# KiCad board TGX4.kicad_pcb (continued)
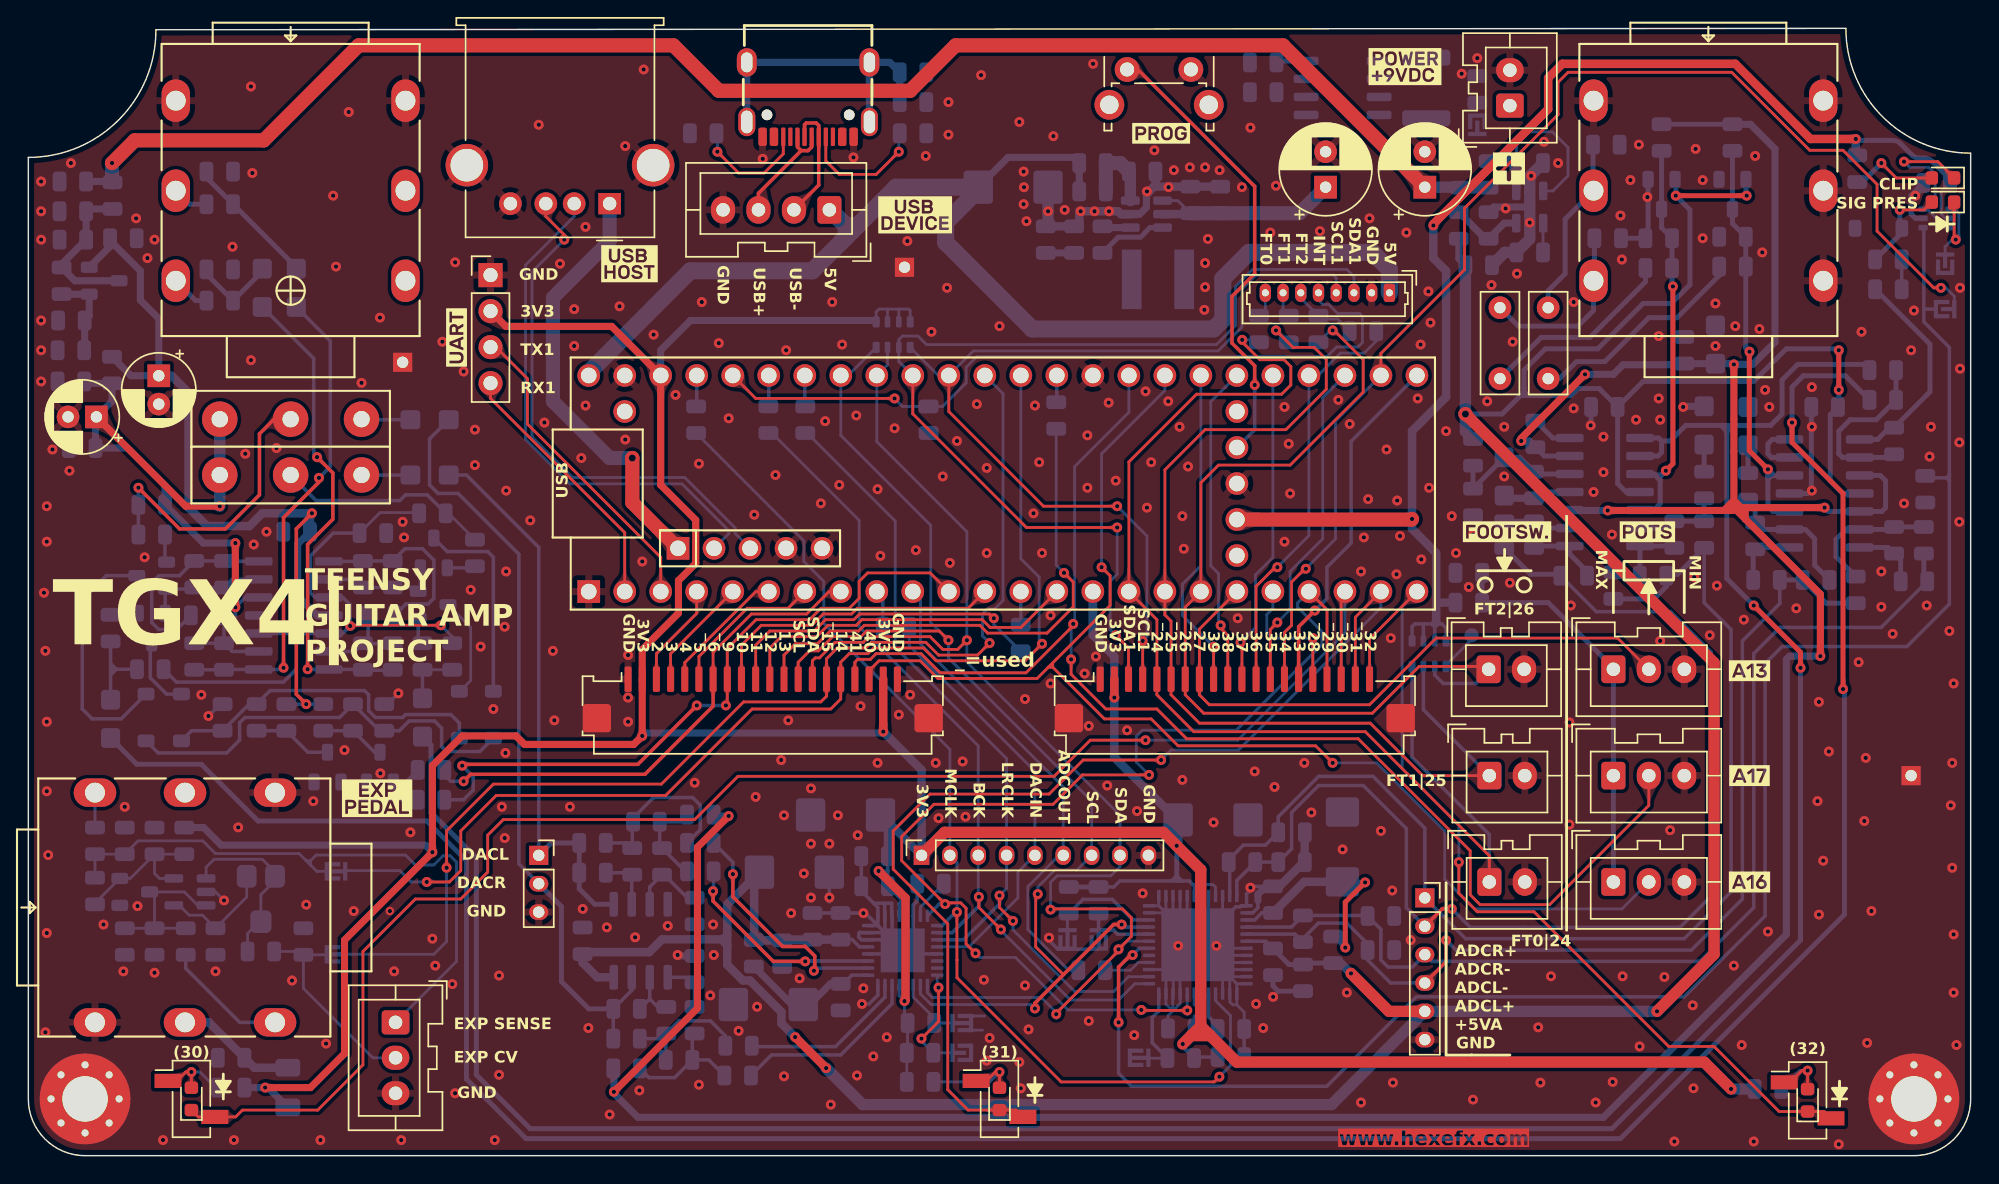
[diagram p0: board, top side]
## Library data of the parts (continued)
U8 = -: Datasheet: http://www.ti.com/lit/sg/scyt129e/scyt129e.pdf; Description: Dual Shmitt trig inverter, Low-Voltage CMOS; ki_fp_filters: SG-* SOT*
U10 = -: Description: 2A,4.5V-16V Input,600kHz Synchronous Step-Down Converter
U11 = -: Datasheet: http://ww1.microchip.com/downloads/en/DeviceDoc/20005785A.pdf; Description: 150mA low dropout linear regulator, fixed 5.0V output, SOT-23-5; ki_fp_filters: SOT?23*

## Footprints (pads in the part's own frame, mm; a bottom-side part is the same pattern mirrored in y, then rotated)
ALPHA_DUALPOT_16mm
  round 2.5 hole 1.15: 1(5,-13) 2(0,-13) 3(-5,-13) 4(5,-9.063) 5(0,-9.063) 6(-5,-9.063)
C_Rect_L7.0mm_W2.5mm_P5.00mm
  round 1.6 hole 0.8: 1(0,0) 2(5,0)
CP_EIA-3216-18_Kemet-A
  rrect 1.4x1.35 smd: 1(-1.35,0) 2(1.35,0)
CP_EIA-6032-28_Kemet-C
  rrect 2.075x2.35 smd: 1(-2.462,0) 2(2.462,0)
CP_Radial_D5.0mm_P2.00mm
  rect 1.6x1.6 hole 0.8: 1(0,0)
  round 1.6 hole 0.8: 2(2,0)
CP_Radial_D6.3mm_P2.50mm
  rect 1.6x1.6 hole 0.8: 1(0,0)
  round 1.6 hole 0.8: 2(2.5,0)
D_SOD-123
  rrect 0.9x1.2 smd: 1(-1.65,0) 2(1.65,0)
Fuse_1206_3216Metric
  rrect 1.25x1.75 smd: 1(-1.4,0) 2(1.4,0)
Fuse_1812_4532Metric
  rrect 1.125x3.4 smd: 1(-2.138,0) 2(2.138,0)
HCTL_XW10202-20R-00 _1x20-1MP_P1.00mm_Horizontal
  rrect 0.5x1.8 smd: 1(-9.5,0.96) 2(-8.5,0.96) 3(-7.5,0.96) 4(-6.5,0.96) 5(-5.5,0.96) 6(-4.5,0.96) 7(-3.5,0.96) 8(-2.5,0.96) 9(-1.5,0.96) 10(-0.5,0.96) 11(0.5,0.96) 12(1.5,0.96) 13(2.5,0.96) 14(3.5,0.96) 15(4.5,0.96) 16(5.5,0.96) 17(6.5,0.96) 18(7.5,0.96) 19(8.5,0.96) 20(9.5,0.96)
  rrect 2x2 smd: SH(-11.7,-1.79) SH(11.7,-1.79)
Hx_C_0805_2012Metric
  rrect 0.975x1.4 smd: 1(-0.938,0) 2(0.938,0)
Hx_L_0805_2012Metric
  rrect 0.975x1.4 smd: 1(-0.938,0) 2(0.938,0)
Hx_R_0805_2012Metric
  rrect 0.975x1.4 smd: 1(-0.938,0) 2(0.938,0)
JST_XA_B02B-XASK-1_1x02_P2.50mm_Vertical
  rrect 1.7x1.95 hole 0.95: 1(0,0)
  oval 1.7x1.95 hole 0.95: 2(2.5,0)
JST_XA_B03B-XASK-1_1x03_P2.50mm_Vertical
  rrect 1.7x1.95 hole 0.95: 1(0,0)
  oval 1.7x1.95 hole 0.95: 2(2.5,0) 3(5,0)
JST_XA_B04B-XASK-1_1x04_P2.50mm_Vertical
  rrect 1.7x1.95 hole 0.95: 1(0,0)
  oval 1.7x1.95 hole 0.95: 2(2.5,0) 3(5,0) 4(7.5,0)
L_Changjiang_FNR5020S
  rect 1.4x4.2 smd: 1(-1.85,0) 2(1.85,0)
LED_0603_1608Metric
  rrect 0.875x0.95 smd: 1(-0.788,0) 2(0.788,0)
Molex_PicoBlade_53047-0810_1x08_P1.25mm_Vertical
  rrect 0.8x1.3 hole 0.5: 1(0,0)
  oval 0.8x1.3 hole 0.5: 2(1.25,0) 3(2.5,0) 4(3.75,0) 5(5,0) 6(6.25,0) 7(7.5,0) 8(8.75,0)
MountingHole_3.2mm_M3_Pad_Via
  round 0.8 hole 0.5: 1(-2.4,0) 1(-1.697,1.697) 1(-1.697,-1.697) 1(0,2.4) 1(0,-2.4) 1(1.697,1.697) 1(1.697,-1.697) 1(2.4,0)
  round 6.4 hole 3.2: 1(0,0)
NMJ6HCD2_TRSjack_smallPads
  oval 2x3 hole 1.4: R(-8.1,-10.35) Rsw(8.1,-10.35) S(-8.1,-4) Ssw(8.1,-4) T(-8.1,-16.7) Tsw(8.1,-16.7)
PCB_jumper_2
  rect 0.3x0.9 smd: 1(-0.5,0.15) 1(0.5,0.15) 2(0,-0.15)
  rect 1.3x0.3 smd: 1(0,0.65) 2(0,-0.65)
PCB_jumper_2_closed
  rect 0.3x0.9 smd: 1(-0.5,0.15) 1(0.5,0.15) 2(0,-0.15)
  rect 1.3x0.3 smd: 1(0,0.65) 2(0,-0.65)
PinHeader_1x01_P2.00mm_Vertical
  rect 1.35x1.35 hole 0.8: 1(0,0)
PinHeader_1x04_P2.54mm_Vertical
  rect 1.7x1.7 hole 1: 1(0,0)
  oval 1.7x1.7 hole 1: 2(0,-2.54) 3(0,-5.08) 4(0,-7.62)
PinSocket_1x02_P2.54mm_Vertical_SMD_Pin1Left
  rect 1.9x1 smd: 1(-1.65,1.27) 2(1.65,-1.27)
PinSocket_1x03_P2.00mm_Vertical
  rect 1.35x1.35 hole 0.8: 1(0,0)
  oval 1.35x1.1 hole 0.8: 2(0,-2) 3(0,-4)
PinSocket_1x06_P2.00mm_Vertical
  rect 1.35x1.35 hole 0.8: 1(0,0)
  oval 1.35x1.1 hole 0.8: 2(0,-2) 3(0,-4) 4(0,-6) 5(0,-8) 6(0,-10)
PinSocket_1x09_P2.00mm_Vertical
  rect 1.35x1.1 hole 0.8: 1(0,0)
  oval 1.35x1.1 hole 0.8: 2(0,-2) 3(0,-4) 4(0,-6) 5(0,-8) 6(0,-10) 7(0,-12) 8(0,-14) 9(0,-16)
QFN-32-1EP_5x5mm_P0.5mm_EP3.1x3.1mm
  rrect 0.83x0.83 smd: (-1.03,-1.03) (-1.03,0) (-1.03,1.03) (0,-1.03) (0,0) (0,1.03) (1.03,-1.03) (1.03,0) (1.03,1.03)
  rrect 0.875x0.25 smd: 1(-2.438,1.75) 2(-2.438,1.25) 3(-2.438,0.75) 4(-2.438,0.25) 5(-2.438,-0.25) 6(-2.438,-0.75) 7(-2.438,-1.25) 8(-2.438,-1.75) 17(2.438,-1.75) 18(2.438,-1.25) 19(2.438,-0.75) 20(2.438,-0.25) 21(2.438,0.25) 22(2.438,0.75) 23(2.438,1.25) 24(2.438,1.75)
  rrect 0.25x0.875 smd: 9(-1.75,-2.438) 10(-1.25,-2.438) 11(-0.75,-2.438) 12(-0.25,-2.438) 13(0.25,-2.438) 14(0.75,-2.438) 15(1.25,-2.438) 16(1.75,-2.438) 25(1.75,2.438) 26(1.25,2.438) 27(0.75,2.438) 28(0.25,2.438) 29(-0.25,2.438) 30(-0.75,2.438) 31(-1.25,2.438) 32(-1.75,2.438)
  rect 3.1x3.1 smd: 33(0,0)
QFN-48-1EP_7x7mm_P0.5mm_EP5.15x5.15mm
  rrect 1.04x1.04 smd: (-1.935,-1.935) (-1.935,-0.645) (-1.935,0.645) (-1.935,1.935) (-0.645,-0.645) (-0.645,0.645) (-0.645,-1.935) (-0.645,1.935) (0.645,-1.935) (0.645,1.935) (0.645,-0.645) (0.645,0.645) (1.935,-1.935) (1.935,-0.645) (1.935,0.645) (1.935,1.935)
  rrect 0.875x0.25 smd: 1(-3.438,2.75) 2(-3.438,2.25) 3(-3.438,1.75) 4(-3.438,1.25) 5(-3.438,0.75) 6(-3.438,0.25) 7(-3.438,-0.25) 8(-3.438,-0.75) 9(-3.438,-1.25) 10(-3.438,-1.75) 11(-3.438,-2.25) 12(-3.438,-2.75) 25(3.438,-2.75) 26(3.438,-2.25) 27(3.438,-1.75) 28(3.438,-1.25) 29(3.438,-0.75) 30(3.438,-0.25) 31(3.438,0.25) 32(3.438,0.75) 33(3.438,1.25) 34(3.438,1.75) 35(3.438,2.25) 36(3.438,2.75)
  rrect 0.25x0.875 smd: 13(-2.75,-3.438) 14(-2.25,-3.438) 15(-1.75,-3.438) 16(-1.25,-3.438) 17(-0.75,-3.438) 18(-0.25,-3.438) 19(0.25,-3.438) 20(0.75,-3.438) 21(1.25,-3.438) 22(1.75,-3.438) 23(2.25,-3.438) 24(2.75,-3.438) 37(2.75,3.438) 38(2.25,3.438) 39(1.75,3.438) 40(1.25,3.438) 41(0.75,3.438) 42(0.25,3.438) 43(-0.25,3.438) 44(-0.75,3.438) 45(-1.25,3.438) 46(-1.75,3.438) 47(-2.25,3.438) 48(-2.75,3.438)
  rect 5.15x5.15 smd: 49(0,0)
R_Array_Convex_4x0603
  rrect 0.8x0.5 smd: 1(-0.9,1.2) 4(-0.9,-1.2) 5(0.9,-1.2) 8(0.9,1.2)
  rrect 0.8x0.4 smd: 2(-0.9,0.4) 3(-0.9,-0.4) 6(0.9,-0.4) 7(0.9,0.4)
SO-8_3.9x4.9mm_P1.27mm
  rrect 1.75x0.6 smd: 1(-2.575,1.905) 2(-2.575,0.635) 3(-2.575,-0.635) 4(-2.575,-1.905) 5(2.575,-1.905) 6(2.575,-0.635) 7(2.575,0.635) 8(2.575,1.905)
SO-14_3.9x8.65mm_P1.27mm
  rrect 1.95x0.6 smd: 1(-2.475,3.81) 2(-2.475,2.54) 3(-2.475,1.27) 4(-2.475,0) 5(-2.475,-1.27) 6(-2.475,-2.54) 7(-2.475,-3.81) 8(2.475,-3.81) 9(2.475,-2.54) 10(2.475,-1.27) 11(2.475,0) 12(2.475,1.27) 13(2.475,2.54) 14(2.475,3.81)
SOT-23
  rrect 1.2x0.8 smd: 1(-1.05,0.95) 2(-1.05,-0.95) 3(1.05,0)
SOT-23-5
  rrect 1.325x0.6 smd: 1(-1.137,0.95) 2(-1.137,0) 3(-1.137,-0.95) 4(1.137,-0.95) 5(1.137,0.95)
SOT-23-6
  rrect 1.325x0.6 smd: 1(-1.137,0.95) 2(-1.137,0) 3(-1.137,-0.95) 4(1.137,-0.95) 5(1.137,0) 6(1.137,0.95)
SOT-363_SC-70-6
  rrect 0.65x0.4 smd: 1(-0.95,0.65) 2(-0.95,0) 3(-0.95,-0.65) 4(0.95,-0.65) 5(0.95,0) 6(0.95,0.65)
SW_Tactile_SPST_Angled_PTS645Vx83-2LFS
  round 2.1 hole 1.3: (-1.25,-2.49) (5.76,-2.49)
  round 1.75 hole 0.99: 1(0,0) 2(4.5,0)
Teensy41_noETH
  rect 1.6x1.6 hole 1.1: 1(-29.21,-7.62) 55(-22.911,-4.569)
  round 1.6 hole 1.1: 2(-26.67,-7.62) 3(-24.13,-7.62) 4(-21.59,-7.62) 5(-19.05,-7.62) 6(-16.51,-7.62) 7(-13.97,-7.62) 8(-11.43,-7.62) 9(-8.89,-7.62) 10(-6.35,-7.62) 11(-3.81,-7.62) 12(-1.27,-7.62) 13(1.27,-7.62) 14(3.81,-7.62) 15(6.35,-7.62) 16(8.89,-7.62) 17(11.43,-7.62) 18(13.97,-7.62) 19(16.51,-7.62) 20(19.05,-7.62) 21(21.59,-7.62) 22(24.13,-7.62) 23(26.67,-7.62) 24(29.21,-7.62) 25(29.21,7.62) 26(26.67,7.62) 27(24.13,7.62) 28(21.59,7.62) 29(19.05,7.62) 30(16.51,7.62) 31(13.97,7.62) 32(11.43,7.62) 33(8.89,7.62) 34(6.35,7.62) 35(3.81,7.62) 36(1.27,7.62) 37(-1.27,7.62) 38(-3.81,7.62) 39(-6.35,7.62) 40(-8.89,7.62) 41(-11.43,7.62) 42(-13.97,7.62) 43(-16.51,7.62) 44(-19.05,7.62) 45(-21.59,7.62) 46(-24.13,7.62) 47(-26.67,7.62) 48(-29.21,7.62) 49(-26.67,5.08) 50(16.51,-5.08) 51(16.51,-2.54) 52(16.51,0) 53(16.51,2.54) 54(16.51,5.08) 56(-20.371,-4.569) 57(-17.831,-4.569) 58(-15.291,-4.569) 59(-12.751,-4.569)
TestPoint_Pad_D1.0mm
  round 1 smd: 1(0,0)
Trimpot_SMD_mini
  rrect 1.4x1.6 smd: 1(-1,-1.6) 3(1,-1.6)
  rrect 1.5x1.6 smd: 2(0,1.6)
USB_A_Molex_67643_Horizontal
  rect 1.6x1.5 hole 0.95: 1(0,0)
  round 1.6 hole 0.95: 2(2.5,0) 3(4.5,0) 4(7,0)
  round 3 hole 2.3: 5(-3.07,-2.71) 5(10.07,-2.71)
USB_C_TYPE-C-31-M-12
  round 0.75 hole 0.75 unplated: (-2.9,3.7) (2.9,3.7)
  rrect 0.6x1.3 smd: A1B12(-3.21,5.248) A4B9(-2.41,5.248) A9B4(2.41,5.248) A12B1(3.21,5.248)
  rrect 0.3x1.3 smd: A5(-1.25,5.248) A6(-0.25,5.248) A7(0.25,5.248) A8(1.25,5.248) B5(1.75,5.248) B6(0.75,5.248) B7(-0.75,5.248) B8(-1.75,5.248)
  oval 1.2x2 hole 0.8x1.6: SH(-4.325,4.2) SH(4.325,4.2)
  oval 1.4x2 hole 0.8x1.4: SH(-4.325,0) SH(4.325,0)

## Nets
+3V3: C9.1 C10.1 C11.1 C12.1 C13.1 C14.1 C33.1 F2.2 J3.2 J5.1 J10.2 J10.19 J12.2 L5.2 L6.2 R10.2 R12.2 R13.2 R14.2 R15.2 R35.1 R95.2 R96.2 R97.2 RP1.5 RP1.6 RP1.7 RP1.8 RP2.5 RP2.6 RP2.7 RP2.8 U2.15 U2.46 U2.51 U3.17 U3.42 U3.45 U4.13 U4.28 U4.29 U8.5
+5V: C69.1 C71.1 C72.1 C73.1 J4.1 J11.1 L1.1 R80.2 U2.48
+5VA: C6.1 C7.1 C16.1 C17.1 C18.1 C21.1 C28.1 C29.1 C30.1 C85.1 D5.2 D6.2 J14.5 L4.2 R11.2 R16.2 R33.1 U3.6 U4.21 U5.8 U6.4 U7.4
+8V: C58.1 C82.1 C84.1 Q8.2 R57.1 R59.1 R83.2 U9.4
+9V: C63.1 C64.1 C67.1 C68.1 C70.1 C74.1 C75.1 L2.1 L3.1 Q7.1 Q7.2 Q7.3 U10.4 U10.5
/Power/5VSW: C66.2 L1.2 U10.6
/Power/VCC_F: F1.2 JP8.2 Q7.5 Q7.6 Q7.7 Q7.8
GND: C1.2 C4.2 C5.2 C6.2 C7.2 C8.2 C9.2 C10.2 C11.2 C12.2 C13.2 C14.2 C15.2 C16.2 C17.2 C18.2 C19.2 C20.2 C21.2 C24.1 C25.1 C28.2 C29.2 C30.2 C32.2 C33.2 C34.2 C37.2 C38.2 C39.2 C40.2 C45.2 C46.2 C47.2 C48.2 C53.1 C54.2 C57.2 C58.2 C63.2 C64.2 C65.2 C67.2 C68.2 C70.2 C71.2 C72.2 C73.2 C74.2 C75.2 C76.2 C77.2 C78.2 C79.2 C80.2 C81.2 C82.2 C83.2 C84.2 C85.2 C86.2 C87.2 C88.2 C89.2 C90.2 C91.2 C92.2 C94.2 C95.2 C96.2 CON1.Rsw CON1.S CON1.Ssw CON1.Tsw CON2.S CON2.Ssw CON3.S CON3.Tsw D1.1 D3.2 D5.1 D6.1 H1.1 H2.1 J1.4 J1.5 J2.3 J3.1 J4.4 J5.9 J6.2 J7.2 J8.2 J9.3 J10.1 J10.20 J10.SH J11.2 J12.1 J12.SH J13.A1B12 J13.A12B1 J14.6 J15.2 J16.3 J17.3 J18.3 J22.1 J23.1 J24.1 JP1.1 JP2.1 JP3.1 JP4.1 JP5.1 JP9.1 Q1.2 Q2.2 R34.2 R37.1 R38.1 R77.1 R78.1 R79.1 R81.1 R84.1 R86.2 R87.2 R88.1 R91.2 R93.1 R98.2 R100.1 SW4.2 U1.2 U2.1 U2.34 U2.47 U2.52 U2.58 U2.59 U3.1 U3.2 U3.7 U3.8 U3.9 U3.10 U3.11 U3.12 U3.13 U3.14 U3.15 U3.18 U3.21 U3.22 U3.23 U3.27 U3.35 U3.36 U3.37 U3.38 U3.39 U3.40 U3.41 U3.43 U3.44 U3.46 U3.49 U4.5 U4.12 U4.16 U4.20 U4.22 U4.23 U4.24 U4.25 U4.26 U4.27 U4.30 U4.33 U5.4 U6.11 U7.11 U8.2 U9.11 U10.2 U11.2
VCC: C65.1 F1.1 J15.1 JP8.1
/A0_TX3_GPIO14: J10.16 JP7.2 U2.36
/A1_RX3_GPIO15: J10.15 JP6.2 U2.37
/A13_GPIO27: J12.8 J16.2 U2.19
/A16_GPIO40: J10.18 J18.2 U2.32
/A17_GPIO41: J10.17 J17.2 U2.33
/ADC/ADC_CLIP: JP10.1 R98.1 U3.30 U8.1
/ADC/I2C_ADDR0: JP3.2 R13.1 U3.32
/ADC/I2C_ADDR1: JP2.2 R12.1 U3.34
/ADC_EXP: C95.1 J2.2 JP6.1 R94.2
/ADCL_N: C2.2 C48.1 J14.2 R51.1 R53.1 U3.48
/ADCL_P: C2.1 C46.1 J14.1 R45.1 R47.1 R49.1 U3.47
/ADCR_N: C3.1 C47.1 J14.3 R52.1 R54.1 U3.4
/ADCR_P: C3.2 C45.1 J14.4 R46.1 R48.1 R50.1 U3.5
/Audio_Input/DRY_L: C50.2 R29.2 U6.1 U6.2
/Audio_Input/DRY_R: C52.2 R30.2 U7.13 U7.14
/Audio_Input/FXIN_L: C35.2 CON1.T R37.2
/Audio_Input/FXIN_R: C36.2 CON1.R R38.2
/Audio_Output/LOUT: CON2.T R75.1
/Audio_Output/ROUT: CON2.R R76.1
/BCLK2_GPIO4: J10.5 U2.6
/CS1_IN1_GPIO38: J12.10 U2.30
/CS_GPIO36: J12.12 R99.2 U2.28
/CS_GPIO37: J12.11 U2.29
/CTRL_DRY_GPIO9: J10.8 R55.2 U2.11
/CTRL_WET_GPIO6: J10.7 R56.2 U2.8
/DAC/AOURL1P: R20.1 U4.14
/DAC/AOUTL1N: R19.1 U4.15
/DAC/AOUTR1N: R17.1 U4.18
/DAC/AOUTR1P: R18.1 U4.19
/DAC/DAC_ADDR0: JP4.2 R14.1 U4.11
/DAC/DAC_ADDR1: JP5.2 R15.1 U4.8
/DACL: C26.2 C49.2 J9.1 R27.2 U5.1
/DACR: C27.2 C51.2 J9.2 R28.2 U5.7
/ESP_IO13: J11.6 R3.1 R99.1
/ESP_IO14: J11.7 R4.1
/ESP_IO21: J11.8 R5.1
/EXP_R: C91.1 CON3.R F2.1
/EXP_SNS: C92.1 J2.1 JP7.1 R89.2 R90.1
/EXPIN: CON3.T R92.1
/FTSW0_GPIO24: J6.1 J12.5 R5.2 RP1.4 U2.16
/FTSW1_GPIO25: J7.1 J12.6 R4.2 RP1.3 U2.17
/FTSW2_GPIO26: J8.1 J12.7 R3.2 RP1.2 U2.18
/GPIO29_CODEC_PDOWN: J12.17 U2.21 U3.20 U4.32
/GUI_INT_ESP_IO12: J11.5 R91.1 U2.44
/I2C1_SCL_ESP_IO11: J11.4 J12.4 RP2.1 U2.38
/I2C1_SDA_ESP_IO10: J11.3 J12.3 RP2.2 U2.39
/I2C_SCL: J5.7 J10.13 RP2.4 U2.41 U3.33 U4.10
/I2C_SDA: J5.8 J10.14 RP2.3 U2.40 U3.31 U4.9
/I2S2_OUT_GPIO2: J10.3 U2.4
/I2S2IN_GPIO5: J10.6 U2.7
/I2S2MCLK_GPIO33: J12.15 U2.25
/I2S_BCLK: J5.3 R8.1 U3.25 U4.2
/I2S_DATAIN: J5.6 R85.2 U2.10
/I2S_DATAOUT: J5.5 R1.1 U4.4
/I2S_LRCLK: J5.4 R9.1 U3.26 U4.3
/I2S_MCLK: J5.2 R7.1 U3.16 U4.1
/LED0_GPIO30: D11.1 J12.18 J19.2 U2.22
/LED1_GPIO31: D12.1 J12.19 J20.2 U2.23
/LED2_GPIO32: D13.1 J12.20 J21.2 U2.24
/LRCK2_GPIO3: J10.4 U2.5
/OUT1A_MISO1_GPIO39: J12.9 U2.31
/PROG_BTN: SW4.1 U2.53
/RX1: J3.4 U2.2
/RX7_GPIO28: J12.16 U2.20
/RX8_GPIO34_ADCCLIP: J12.14 JP10.2 U2.26
/SPI_CS_GPIO10: J10.9 U2.12
/SPI_MISO_GPIO12: J10.11 U2.14
/SPI_MOSI_GPIO11: J10.10 R2.1
/SPI_SCK_GPIO13: J10.12 R6.2
/TX1: J3.3 U2.3
/TX8_GPIO35: J12.13 U2.27
/USB_H_D_N: J1.2 U2.56
/USB_H_D_P: J1.3 U2.57
/USB_H_PWR: J1.1 U2.55
/USB_N: J4.2 J13.A7 J13.B7
/USB_P: J4.3 J13.A6 J13.B6
/VEXP: C96.1 D1.2 L6.1 R90.2 U1.5
/VPOT: C90.1 J16.1 J17.1 J18.1 L5.1
VBB: C57.1 C86.1 C87.1 R65.2 R66.2 R67.2 R68.2 R83.1 R84.2 RV1.3 RV1.6 U9.3 U9.5 U9.10 U9.12
VCOM: C34.1 C89.1 R21.1 R22.1 R36.1 R41.2 R42.2 U6.10 U6.13 U7.3 U7.5
Net-(C22-Pad1): C22.1 R17.2 R23.1 R27.1
Net-(C22-Pad2): C22.2 R18.2 R21.2 R24.1
Net-(C23-Pad1): C23.1 R19.2 R25.1 R28.1
Net-(C23-Pad2): C23.2 R20.2 R22.2 R26.1
Net-(C31-Pad1): C31.1 R32.2
Net-(C31-Pad2): C31.2 R31.1 U7.1
Net-(C35-Pad1): C35.1 R39.2
Net-(C36-Pad1): C36.1 R40.2
Net-(C39-Pad1): C39.1 R43.2
Net-(C40-Pad1): C40.1 R44.2
Net-(C41-Pad1): C41.1 R49.2 U6.7
Net-(C42-Pad1): C42.1 R50.2 U7.8
Net-(C43-Pad1): C43.1 R53.2 U6.8
Net-(C44-Pad1): C44.1 R54.2 U7.7
Net-(C49-Pad1): C49.1 RV1.1
Net-(C50-Pad1): C50.1 R61.1 R67.1
Net-(C51-Pad1): C51.1 RV1.4
Net-(C52-Pad1): C52.1 R62.1 R68.1
Net-(C55-Pad2): C55.2 R69.1 R71.2 U9.1
Net-(C56-Pad2): C56.2 R70.1 R72.2 U9.14
Net-(C59-Pad2): C59.2 C61.1 R73.1 U9.7
Net-(C60-Pad2): C60.2 C62.1 R74.1 U9.8
Net-(C61-Pad2): C61.2 R75.2 R77.2
Net-(C62-Pad2): C62.2 R76.2 R78.2
Net-(CON3-PadSsw): CON3.Ssw R89.1
Net-(D1-COM): C94.1 D1.3 R92.2 R100.2 U1.3
Net-(D2-A): D2.2 D3.1 R32.1
Net-(D2-K): D2.1 JP9.2 U8.4
Net-(D4-A): D4.2 R35.2
Net-(D4-K): D4.1 U8.3 U8.6
Net-(D5-COM): C37.1 D5.3 R39.1 R41.1 U6.3 U6.5
Net-(D6-COM): C38.1 D6.3 R40.1 R42.1 U7.10 U7.12
Net-(D7-A): D7.2 Q3.3
Net-(D7-K): C53.2 D7.1 D8.1 R58.1
Net-(D8-A): D8.2 Q4.3
Net-(D9-A): D9.2 Q5.3
Net-(D10-A): D10.2 Q6.3
Net-(D10-K): C54.1 D9.1 D10.1 R60.1
Net-(D11-A): D11.2 J19.1 R95.1
Net-(D12-A): D12.2 J20.1 R96.1
Net-(D13-A): D13.2 J21.1 R97.1
Net-(J13-CC1): J13.A5 R86.1
Net-(J13-CC2): J13.B5 R87.1
Net-(J13-SHIELD): C1.1 J13.SH R88.2
Net-(JP1-B): JP1.2 R10.1 U3.24
Net-(Q1-B): Q1.1 R55.1
Net-(Q1-C): Q1.3 R57.2 R58.2
Net-(Q2-B): Q2.1 R56.1
Net-(Q2-C): Q2.3 R59.2 R60.2
Net-(Q3-D): Q3.1 R61.2
Net-(Q3-S): C55.1 Q3.2 Q5.2 R69.2 U9.2
Net-(Q4-D): Q4.1 R62.2
Net-(Q4-S): C56.1 Q4.2 Q6.2 R70.2 U9.13
Net-(Q5-D): Q5.1 R63.2
Net-(Q6-D): Q6.1 R64.2
Net-(Q7-G): Q7.4 R79.2
Net-(Q8-B): C79.1 C80.1 Q8.1 R82.1
Net-(Q8-C): C76.1 C78.1 L2.2 Q8.3 R82.2
Net-(R36-Pad2): R36.2 U6.14
Net-(R63-Pad1): R63.1 R65.1 RV1.2
Net-(R64-Pad1): R64.1 R66.1 RV1.5
Net-(R94-Pad1): R94.1 RV2.2 RV2.3 U1.1
Net-(RP1-P1): RP1.1 TP1.1
Net-(U1--): R93.2 RV2.1 U1.4
Net-(U2-7_RX2_OUT1A): R1.2 U2.9
Net-(U2-11_MOSI_CTX1): R2.2 U2.13
Net-(U2-13_SCK_LED): R6.1 U2.35
Net-(U2-20_A6_TX5_LRCLK1): R9.2 U2.42
Net-(U2-21_A7_RX5_BCLK1): R8.2 U2.43
Net-(U2-23_A9_CRX1_MCLK1): R7.2 U2.45
Net-(U3-SDTO1): R85.1 U3.28
Net-(U3-VDD18): C8.1 U3.19
Net-(U3-VREFH1): C4.1 C5.1 R11.1 U3.3
Net-(U4-VDD18): C15.1 U4.31
Net-(U4-VREFH1): C19.1 C20.1 R16.1 U4.17
Net-(U5A-+): C24.2 R24.2 U5.3
Net-(U5A--): C26.1 R23.2 U5.2
Net-(U5B-+): C25.2 R26.2 U5.5
Net-(U5B--): C27.1 R25.2 U5.6
Net-(U6B--): C41.2 R43.1 R45.2 U6.6
Net-(U6C--): C43.2 R47.2 R51.2 U6.9
Net-(U6D-+): C32.1 C88.1 R33.2 R34.1 U6.12
Net-(U7A--): R29.1 R30.1 R31.2 U7.2
Net-(U7B--): C44.2 R48.2 R52.2 U7.6
Net-(U7C--): C42.2 R44.1 R46.2 U7.9
Net-(U9B--): C59.1 R71.1 R73.2 U9.6
Net-(U9C--): C60.1 R72.1 R74.2 U9.9
Net-(U10-BS): C66.1 U10.1
Net-(U10-FB): C69.2 R80.1 R81.2 U10.3
Net-(U11-BP): C81.1 U11.4
Net-(U11-EN): C77.1 L3.2 U11.1 U11.3
Net-(U11-OUT): C83.1 L4.1 U11.5

Pads without a net: CON2 Rsw Tsw; CON3 Rsw; J13 A4B9 A8 A9B4 B8; U2 49 50 54; U3 29; U4 6 7

## Via types
v1: diameter 0.7, hole 0.3, Top to Bottom, 524 vias
v2: diameter 0.6, hole 0.3, Top to Bottom, 1 via
v3: diameter 1, hole 0.5, Top to Bottom, 2 vias

## Routing (per net, layer and track width the routed paths; a pad name or vN(x,y) marks a point on that pad's centre or on a via; arc(x,y) is an arc through that point)
+3V3: length 419.3
  Top w0.5: v1(16.7,4.8) 19.9,4.8 22.3,7.2 22.3,15.2 v1(28.5,21.4) 28.5,27.5 30.6,29.6 34.4,29.6 35,29 42.7,29 v1(43.3,29.6) J10.2 43.3,35.7 45.86,38.25 45.86,40.55 47.07,41.77 47.07,44.83 44.61,47.29 U2.46 41.14,58.48 33.68,58.48 J3.2
  Top w0.6: v1(128.9,71.7) 125.7,71.7 120.4,77 108.2,77 107.2,76 107.2,73.8 99.1,65.7 v1(99.1,65.6) ; v1(59.97,20.08) 61.87,18.18 61.87,10.97 v1(61.8,10.9) ; v1(76.6,32.3) J12.2 ; v1(60.3,29.9) J10.19
  Top w0.8: J5.1 64.62,22.8 80.05,22.8 v1(81,21.85) 82.69,20.16 82.69,9.14 ; 82.69,9.14 83.37,8.47 ; 82.69,9.14 82.03,8.47 ; 83.37,8.47 85.23,6.6 118.2,6.6 v1(120.1,4.7) ; 83.37,8.47 82.03,8.47 82.03,8.47 ; 82.03,8.47 v1(81.43,7.87)
  Top w1: v1(97.6,44.9) 97.56,44.86 U2.51
  Bottom w0.2: RP2.8 62.2,59.6 62.1,59.7 61.4,59.7 ; C33.1 134.93,67.99 134.93,66.4 135.23,66.1 U8.5 ; U3.42 82.24,19.02 82.14,19.11 83.56,19.11 83.74,18.94 U3.45 ; 61.4,59.7 60.6,59.7 ; 61.4,59.7 RP2.7 ; 60.6,59.7 60,59.7 59.8,59.5 RP2.5 ; 60.6,59.7 RP2.6 ; v1(59.97,20.08) 60.63,20.08 ; U4.13 61.42,11.28 v1(61.8,10.9) 61.8,9.57 R14.2 62.02,7.31 R15.2 61.96,7.14 61.96,7.14 R96.2
  Bottom w0.25: 99.2,37.5 98.4,37.5 ; 99.2,37.5 99.7,37.5 100,37.2 RP1.8 ; 99.2,37.5 RP1.7 ; 98.4,37.5 RP1.6 ; 98.4,37.5 97.8,37.5 97.6,37.3 RP1.5 ; C10.1 82.29,6.95 R10.2 81.43,7.68 v1(81.43,7.87) ; 61.67,18.01 61.92,17.76 U4.29 ; 61.67,18.01 61.62,18.01 C14.1 C13.1 ; 61.67,18.01 61.42,17.76 U4.28 ; 82.14,19.11 81.89,19.37 81.2,19.37 ; 81.2,19.37 80.55,19.37 ; 81.2,19.37 81.38,19.37 81,19.75 80.62,19.37 80.55,19.37 ; 80.55,19.37 76.99,19.37 76.56,18.95 R13.2 ; U3.17 83.24,9.81 83.88,9.16 C9.1
  Bottom w0.35: 81,19.42 v1(81,21.85) ; R12.2 R13.2 ; C10.1 C9.1 ; v1(128.9,71.7) 129,71.6 131.49,71.6 arc(131.8,71.54) 132.06,71.37 132.84,70.59 arc(133.1,70.41) 133.4,70.35 133.73,70.35 arc(134.03,70.29) 134.29,70.12 135.54,68.87 C33.1
  Bottom w0.5: v1(43.3,29.6) 43.5,29.8 60.2,29.8 v1(60.3,29.9) ; v1(28.5,21.4) 28,21.9 13.6,21.9 12.36,23.14 L6.2 ; R95.2 v1(16.7,4.8) 16.9,4.8 F2.2 ; RP2.5 59.7,58.9 46.7,58.9 44.61,56.8 U2.46
  Bottom w0.6: v1(128.9,71.7) 128.9,70.64 R35.1 ; C12.1 60.63,23.5 C13.1 ; C12.1 60.15,24.02 J5.1 63,27.2 v1(60.3,29.9) ; C12.1 60.95,23.18 ; 99.3,38.9 99.3,37.6 99.2,37.5 ; 99.3,38.9 99.4,39 L5.2 ; 99.3,38.9 99.3,42.5 97.6,44.2 v1(97.6,44.9) 97.6,51.1 100,53.5 100,62.4 99.1,63.3 v1(99.1,65.6) ; U2.15 75.08,36.71 76.6,35.2 v1(76.6,32.3) 76.6,28.1 81.02,23.68 C11.1
  Bottom w0.8: v1(120.1,4.7) R97.2 ; v1(81,21.85) 81,23.58 C11.1
+5V: length 94.5
  Bottom w0.5: C72.1 C71.1 ; C73.1 69.1,70.4 73.72,70.4 C69.1 R80.2
  Bottom w1.2: 57.33,64.42 57.67,64.77 57.67,65.57 ; 57.33,64.42 55.3,62.4 46.7,62.4 39.53,55.22 U2.48 ; 57.33,64.42 58.08,65.17 ; J11.1 96,62.5 94.8,63.7 86.1,63.7 84.25,61.85 84.25,58.95 83.6,58.3 70.8,58.3 64.7,64.4 64.7,65.8 67,68.1 C73.1 61.2,68.3 58.5,65.6 ; J4.1 56.55,66.7 57.58,65.67 ; 57.67,65.57 57.7,65.6 58.5,65.6 ; 57.67,65.57 57.58,65.67 ; 58.08,65.17 57.58,65.67 ; 58.08,65.17 58.5,65.6
+5VA: length 268.1
  Top w0.35: v1(116.2,67.7) v1(121.2,67.7) ; v1(127.7,56.8) v1(127.7,54)
  Top w0.6: v1(56.27,6.17) v1(54.08,8.36)
  Top w0.8: J14.5 95.97,10.18 v1(93.29,12.85) ; v1(114.88,10.18) 118.9,14.2 118.9,34.76 v3(101.36,52.3)
  Bottom w0.25: U4.21 58.62,14.73 58.11,15.24 C16.1 ; C6.1 87.28,15.12 U3.6
  Bottom w0.35: 105.75,53.6 108.8,53.6 109.3,54.1 110.8,54.1 C29.1 ; 105.75,53.6 105.5,53.6 ; 105.75,53.6 105.5,53.85 ; 105.5,53.6 105.5,54.2 ; 105.5,53.6 105.25,53.6 ; C29.1 112.1,47.4 112.7,46.8 113.68,46.8 ; C29.1 113.9,54.6 121.7,54.6 124,56.9 127.6,56.9 v1(127.7,56.8) ; v1(127.7,54) 127.7,52.86 C30.1 127.1,52.26 127.1,47.6 128,46.7 129.18,46.7 ; v3(101.36,52.3) 103.95,52.3 105.25,53.6 ; 105.5,54.2 105.5,53.85 ; 105.5,54.2 105.5,55.4 107,56.9 110.7,56.9 113.9,60.1 115.88,60.1 117.2,61.42 117.2,66.7 v1(116.2,67.7) 116.2,68.8 D5.2 ; 105.25,53.6 105.5,53.85 ; R11.2 90.02,13.58 C7.1 88.92,13.48 C6.1 ; D6.2 121.15,67.75 v1(121.2,67.7)
  Bottom w0.5: C85.1 100.9,63.26 L4.2
  Bottom w0.6: 51.11,15.15 R16.2 ; 49.3,15.55 49.3,17.72 C18.1 51.19,19.62 51.19,15.18 C21.1 ; 49.3,15.55 49,15.25 ; 49.3,15.55 49.3,14.85 ; 49,15.25 44.69,15.25 43.8,14.35 39.23,14.35 C28.1 39.09,13.6 40.12,12.58 U5.8 ; 49,15.25 49,15.15 49.3,14.85 ; C21.1 53.23,15.24 C17.1 C16.1 ; C21.1 53.13,15.21 ; 49.3,14.85 49.3,13.46 50.4,12.35 50.89,12.35 53.12,10.13 53.12,9.33 v1(54.08,8.36) ; v1(93.29,12.85) 92.57,13.58 R11.2
  Bottom w0.8: C85.1 v3(101.36,52.3) 101.36,51.07 R33.1 ; v1(56.27,6.17) 58.85,3.6 91.92,3.6 J14.5 v1(114.88,10.18)
+8V: length 63.8
  Top w0.25: v1(20,45.3) 18.9,44.2 18.9,32.54 v1(19.6,31.84)
  Bottom w0.25: R59.1 R57.1
  Bottom w0.5: R83.2 7.24,55 C82.1 9.2,59.04 7.9,60.34 7.9,62.4 5.76,64.54 C84.1 5.76,64.12 Q8.2 ; U9.4 20.37,38.1 19,39.47 19,43.14 C58.1
  Bottom w0.6: C58.1 19.86,45.17 v1(20,45.3) 16.5,45.3 15.6,44.4 12.6,44.4 11.3,45.7 11.3,53.8 10.1,55 C82.1
+9V: length 125.2
  Top w1: v1(5.9,70) 7.5,71.6 16.6,71.6 23.3,78.3 45.5,78.3 48.7,75.1 62.2,75.1 65.4,78.3 88.5,78.3 C68.1
  Bottom w0.2: U10.4 81.07,67.35 C63.1
  Bottom w0.5: 81.9,66.4 C63.1 ; C74.1 5.88,68.7 L2.1
  Bottom w0.6: U10.5 81.9,66.4
  Bottom w0.8: C68.1 100.96,68.3 C75.1 L3.1
  Bottom w1: L2.1 5.9,68.68 v1(5.9,70) ; C63.1 C64.1 89.66,66.46 C67.1
/Power/5VSW: length 5
  Bottom w0.35: C66.2 76.88,64.77 78.46,64.77 78.76,65.08 78.76,65.1 79.11,65.45 U10.6
GND: length 233.2
  Bottom w0.2: U3.49 81.24,16.12 U3.40 ; U3.49 80.76,13.14 80.76,11.45 U3.22 80.72,11.42 80.72,10.2 ; U3.49 84.24,16.62 U3.46 ; U3.49 81.24,13.62 U3.21 81.25,11.42 81.25,10.74 80.72,10.2 ; U3.49 82.74,15.12 U3.43 ; U3.49 80.74,13.12 U3.27 ; U3.49 80.74,16.62 U3.39 ; U3.49 80.24,17.12 ; U3.49 83.74,13.62 U3.9 ; U3.49 79.74,17.62 ; U3.49 83.24,14.12 U3.8 ; U3.49 80.24,12.62 U3.23 80.24,10.69 80.72,10.2 ; U3.49 84.74,12.62 ; U3.49 81.74,14.12 ; U3.49 85.24,12.12 ; U3.49 84.74,12.62 ; U3.49 82.74,14.62 ; U3.49 81.74,15.62 U3.41 ; U3.49 84.24,13.12 ; U3.49 83.24,15.62 U3.44 ; 82.74,14.62 83.62,14.62 v1(83.8,14.8) 83.98,14.62 U3.7 ; 82.74,14.62 U3.18 ; 85.24,10.64 84.95,10.64 84.75,10.84 84.75,11.42 U3.14 84.74,12.62 ; 85.24,10.64 85.76,10.12 C9.2 ; 85.24,10.64 U3.13 85.24,12.12 ; C8.2 80.38,9.87 80.72,10.2 ; U3.35 80.24,17.12 ; 80.24,17.12 U3.38 ; 84.74,12.62 U3.11 ; v1(13.8,18) 13.2,18.6 U1.2 ; 67.8,8.35 v1(67.8,8.3) ; JP4.1 67.3,8.85 ; U3.36 79.74,17.62 ; 79.74,17.62 U3.37 ; U3.12 85.24,12.12 ; U3.10 84.24,13.12 ; 84.24,13.12 U3.15 ; JP4.1 67.45,9.85
  Bottom w0.25: 84.74,17.12 U3.49 85.16,17.55 85.46,17.55 85.54,17.62 U3.1 85.92,18.45 86.2,18.73 v1(86.2,18.9) 86.37,18.9 86.47,18.99 87.29,18.99 ; 45.1,17.25 U5.4 ; U4.33 62.42,15.23 U4.30 62.42,17.68 62.7,17.96 C15.2 ; U4.33 61.92,14.23 ; U4.33 60.42,15.73 ; U4.33 61.42,14.23 U4.20 ; U4.33 59.92,16.23 ; U4.33 60.92,15.23 ; 61.92,14.23 U4.12 ; 61.92,14.23 U4.5 ; C17.2 C16.2 58.89,17.11 v1(58.9,17.1) 58.91,17.11 59.04,17.11 59.92,16.23 ; U4.24 59.92,16.23 ; 59.92,16.23 U4.25 59.92,17.5 59.62,17.8 ; 59.62,17.8 60.4,17.8 ; 59.62,17.8 58.75,18.67 C14.2 C13.2 ; 60.92,15.23 U4.22 58.76,15.23 58.57,15.41 58.57,15.68 58.65,15.75 58.67,15.73 U4.23 60.42,15.73 ; 60.92,15.23 U4.27 60.89,16.94 60.89,17.8 60.4,17.8 ; 60.42,15.73 U4.26 60.4,16.94 60.4,17.8 ; U3.2 86.36,17.12 86.73,17.49 86.73,17.98 ; C53.1 13.54,31.84 v1(12.7,31) ; 56.5,17.9 56.5,18.2 v1(56.5,18.2) 56.5,18.2 C18.2 ; U4.16 59.92,11.31 59.31,10.7 v1(58.8,10.7) ; C54.2 25.34,31.84 v1(26.1,32.6) ; 75.47,14.56 72.62,14.56 71.99,15.18 v1(71.99,15.37) ; C10.2 C9.2
  Bottom w0.35: C7.2 88.16,11.6 87.79,11.97 C6.2 ; U7.11 125.5,46.7 125.7,46.9 v1(125.8,46.9) 125.8,47 125.76,46.96 125.76,51.36 v1(125.8,51.4) 125.76,51.44 C30.2 ; D5.1 114.25,67.65 v1(114.2,67.6) 114.25,67.55 114.25,64.89 C37.2 R37.1 ; U6.11 107.25,46.8 106.81,46.36 C88.2 ; v1(133.1,67.7) 133.66,68.26 C33.2 132.8,67.74 132.8,66.4 133.1,66.1 U8.2 ; 119.26,68.84 D6.1 ; C29.2 110.22,51.52 v1(110.2,51.5) 110.22,51.47
  Bottom w0.5: C39.2 116.78,52.85 v1(116.72,52.8) ; 86.73,17.98 86.73,18.43 87.29,18.99 C5.2 ; C25.1 45.86,14.09 v1(45.8,14.15) ; 40.81,16.09 v1(40.8,16.1) 40.79,16.09 ; C83.2 103.36,66.9 104.1,66.9 v1(104.2,66.8) 104.3,66.9 105.9,66.9 ; 45.1,17.27 U5.4 ; C32.2 104.29,46.36 C88.2 ; 18.1,43.89 C58.2 ; 77.72,66.4 78.39,66.4 78.86,66.88 78.86,67.8 78.96,67.9
  Bottom w0.6: C72.2 C71.2 74.12,65.9 74.12,66.6 v1(74.22,66.6) v1(75.2,66.6) v1(76.22,66.6) 76.86,66.6 77.06,66.4 77.72,66.4 ; 79.4,68.34 80.39,68.34 v1(80.43,68.3) 80.46,68.34 C63.2 C64.2 ; 79.4,68.34 79.06,68 v1(78.9,68) 78.9,67.84 78.96,67.9 ; 79.4,68.34 79.5,68.44 R81.1 ; 90.02,22.77 90.02,20.77 88.24,18.99 C5.2
  Bottom w0.8: 71.92,68.3 v1(71.92,66.6) 71.92,65.7 C72.2 ; C77.2 106,69.16 v1(106,69.1) 105.94,69.1 105.9,69.06 U11.2 v1(105.9,65.8) 105.9,64.64 C81.2 104.14,63.7 C85.2
  Bottom w1: 118.25,52.8 C39.2
  vias: v1(0.9,68.7) v1(0.9,66.6) v1(0.9,64.6) v1(0.9,58.9) v1(0.9,56.8) v1(0.9,54.6) v1(1.1,39.7) v1(1.2,35.6) v1(1.2,8.7) v1(1.3,45.8) v1(1.3,43.3) v1(1.3,30.6) v1(1.3,25.7) v1(1.3,15.7) v1(1.4,21.2) v1(1.7,49.8) v1(2.9,48.3) v1(3,70) v1(5.3,16.3) v1(6.7,13) v1(6.8,24.6) v1(7.6,66.1) v1(7.7,17.6) v1(8.2,42.2) v1(8.4,63.3) v1(8.9,64.6) v1(8.9,12.9) v1(9.5,1.1) v1(12.2,32.5) v1(13.2,13) v1(14.4,64.1) v1(14.5,1.1) v1(14.8,23.15) v1(15.3,49.5) v1(15.7,75.4) v1(15.7,56.1) v1(15.8,69.3) v1(15.9,43.1) v1(16.8,44) v1(17.5,49.9) v1(18.6,12.35) v1(19.6,17.7) v1(20.1,25) v1(20.6,1.1) v1(21,7.9) v1(21.5,67.7) v1(21.7,62.7) v1(22.3,28.6) v1(22.6,73.6) v1(22.95,17.25) v1(23.5,54.5) v1(24.8,59.1) v1(24.83,26.96) v1(25.8,13) v1(26.3,1.1) v1(26.4,44.7) v1(26.5,43.6) v1(26.95,22.8) v1(28.5,15.3) v1(28.7,13.4) v1(29.2,57.4) v1(29.9,12.1) v1(30.1,63) v1(30.1,4.4) v1(30.7,55.3) v1(31.2,39.9) v1(31.5,51.2) v1(31.5,48.7) v1(31.9,35.9) v1(32.8,31.5) v1(32.9,1.1) v1(33.2,12.7) v1(33.2,5.7) v1(33.4,24.6) v1(33.6,37.3) v1(33.6,22.4) v1(33.7,46.9) v1(33.7,41.2) v1(33.65,28.4) v1(35.4,44.8) v1(36,72.7) v1(36.4,51.7) v1(37,35.6) v1(37.1,30.7) v1(37.5,62.9) v1(38.2,24.6) v1(38.5,59.7) v1(38.5,57.1) v1(39,49.2) v1(39.1,17.4) v1(39.3,65.5) v1(39.3,52.9) v1(39.5,9) v1(41,2.9) v1(41.7,59.9) v1(42.1,71.2) v1(42.1,50.5) v1(42.3,35.3) v1(42.3,32.3) v1(42.3,30.6) v1(42.8,15.4) v1(43.1,4.6) v1(43.3,41.9) v1(43.4,76.6) v1(44.1,57.9) v1(45.1,16.2) v1(45.65,53.65) v1(47,26.3) v1(47.3,48.8) v1(47.3,5) v1(47.5,60.2) v1(48.1,11.3) v1(48.3,16.3) v1(48.35,14.15) v1(48.7,57.3) v1(49.4,52) v1(50.1,8.8) v1(51.2,45.2) v1(51.3,25.3) v1(51.4,10.5) v1(51.8,70.3) v1(52.7,48) v1(53.1,27.9) v1(53.3,24) v1(53.3,5.6) v1(53.45,56.8) v1(53.6,30.7) v1(53.8,17.1) v1(54.4,12.5) v1(54.7,19.9) v1(55.2,25.9) v1(55.2,22) v1(55.2,18.2) v1(55.9,46) v1(56.2,51.8) v1(56.5,22) v1(56.6,3.6) v1(56.7,60.2) v1(57.1,24) v1(57.2,47.3) v1(57.4,57.2) v1(58.2,70.4) v1(58.4,52.2) v1(58.5,22.6) v1(58.45,5.65) v1(58.7,31.7) v1(58.9,11.8) v1(59.6,7) v1(59.9,47) v1(59.9,27.7) v1(60.1,42.3) v1(60.55,8.35) v1(61.1,51.3) v1(61.4,31.1) v1(62,64.5) v1(62.2,32.5) v1(62.6,42.7) v1(63.3,70.5) v1(63.7,58.1) v1(64,27.7) v1(64.2,23.8) v1(64.5,47.9) v1(64.8,61.2) v1(64.9,74.3) v1(64.9,72) v1(65,41.8) v1(65.5,50.4) v1(65.9,27.8) v1(66.1,23.9) v1(66.9,53) v1(67.2,76.2) v1(67.4,12.4) v1(67.6,48.5) v1(67.6,42.5) v1(67.6,6.7) v1(68.5,58.5) v1(69.9,72.9) v1(69.9,6.6) v1(70,4.75) v1(70.2,69.4) v1(70.22,68.3) v1(70.2,67.1) v1(70.3,32.2) v1(70.3,12) v1(70.4,65.9) v1(70.55,8.9) v1(70.9,45.3) v1(71,52.9) v1(71.3,48.9) v1(71.5,42.5) v1(72.1,38.1) v1(72.1,33.3) v1(72.3,71.9) v1(73.1,66.7) v1(74.5,34) v1(74.7,50.8) v1(74.7,47.1) v1(74.8,30.3) v1(74.8,9.5) v1(75.1,77) v1(75.3,35.2) v1(76.1,26.1) v1(76.2,53.1) v1(76.7,47.6) v1(77.5,30) v1(78,8.5) v1(78.2,24.3) v1(78.6,18.5) v1(78.8,53.9) v1(78.9,45.7) v1(79.2,48.9) v1(79.43,70.9) v1(80.4,53.2) v1(80.8,69.5) v1(81.1,14.8) v1(81.2,51.4) v1(81.4,45.1) v1(81.4,26.5) v1(81.5,42.8) v1(81.8,48.6) v1(81.93,69.7) v1(82.95,59.65) v1(83,69.7) v1(83,62.95) v1(83,61.25) v1(83.2,64.65) v1(83.6,23.5) v1(84.03,69.5) v1(85.3,37.9) v1(85.6,68.3) v1(86.2,72.5) v1(86.5,27.1) v1(86.6,10.7) v1(87.1,9) v1(87.6,65.1) v1(87.8,11.2) v1(87.9,26) v1(88,68.4) v1(88.6,52.8) v1(88.6,43.3) v1(88.9,50.2) v1(89,46.7) v1(90,27.7) v1(90.5,24.2) v1(91.1,65.2) v1(92.4,53.3) v1(92.7,21.6) v1(93,11.5) v1(93.2,51.6) v1(94,41.2) v1(94,3.75) v1(94.2,43.6) v1(94.5,46.3) v1(94.6,66.1) v1(95.4,22.9) v1(95.8,49.8) v1(96.1,36.5) v1(96.2,18.7) v1(96.25,5.15) v1(96.5,41) v1(96.55,46.2) v1(96.75,43.7) v1(97.2,65.1) v1(97.5,15.2) v1(98,53.4) v1(98.2,57.2) v1(98.25,42.05) v1(98.75,60.95) v1(98.8,47.1) v1(98.9,58.75) v1(100,51.1) v1(100.4,45.1) v1(100.7,42.5) v1(101.1,76.3) v1(101.6,40.1) v1(101.9,43.8) v1(101.9,3.95) v1(102.2,77.4) v1(102.9,53.2) v1(103.2,61.4) v1(104.1,51.4) v1(104.1,47.9) v1(104.5,40.4) v1(104.7,57.4) v1(105,62.2) v1(106.5,9.05) v1(106.65,5.15) v1(106.9,71.5) v1(107.4,12.65) v1(107.9,70) v1(108.7,30.55) v1(108.7,23.35) v1(108.8,38.8) v1(109,60.2) v1(109,52.7) v1(110.4,46.8) v1(110.55,3.75) v1(111.1,50.7) v1(111.1,48.2) v1(111.7,43.8) v1(111.75,5.2) v1(112.3,66.3) v1(112.4,63.2) v1(112.45,12.65) v1(113,68.8) v1(113.4,51.9) v1(113.6,71.3) v1(113.65,7.7) v1(115,57.8) v1(115,53.4) v1(115.1,51.9) v1(115.1,36.3) v1(115.4,12.6) v1(115.8,22.95) v1(116.1,1) v1(117.4,10.6) v1(117.45,4.75) v1(117.5,40.8) v1(117.6,71) v1(118.1,68.8) v1(118.1,64.7) v1(118.6,36.7) v1(119,60.1) v1(119,57.1) v1(119.1,40.2) v1(120.3,13.4) v1(120.4,58.5) v1(120.85,7.8) v1(121,37.8) v1(121.7,1) v1(121.8,70.5) v1(122.1,58.3) v1(122.3,63.7) v1(122.5,54) v1(122.7,15.8) v1(122.8,52.8) v1(124.7,38.6) v1(125.8,54.2) v1(126.2,25) v1(126.3,32) v1(126.3,17) v1(126.6,20.8) v1(127,28.5) v1(127.7,0.8) v1(129.1,34.8) v1(129.3,58.1) v1(129.5,23.6) v1(129.6,28.05) v1(129.7,7.95) v1(130,17.25) v1(130.7,41.2) v1(130.7,38.7) v1(131.5,36.8) v1(132.3,46) v1(132.8,56.8) v1(133,59.6) v1(133.9,38.8) v1(134.1,49.3) v1(134.2,51.4) v1(135.5,37) v1(135.6,24.7) v1(135.7,27.7) v1(135.7,20.3) v1(135.8,33.3) v1(135.8,15.6) v1(135.8,11.5) v1(136,7.8) v1(136.2,50.3) v1(136.2,44.7) v1(136.25,61.2) v1(136.25,55.5) v2(25.5,17.25)
